# Altium PCB BC2087.PcbDoc (part 5 of 6)
Units mil, origin at the board's own origin, x right, y up, seen from the top; angles counter-clockwise.
Board outline 7401.57 x 1181.1 mil, 6 copper layers (Top Copper, Signal Layer 1, Signal Layer 2, Signal Layer 3, Signal Layer 4, Bottom Copper), stack 62.874 mil thick; 302 components, 237 nets, 1184 pads, 867 vias.
Unrouted connection lines stored in the file: 315.
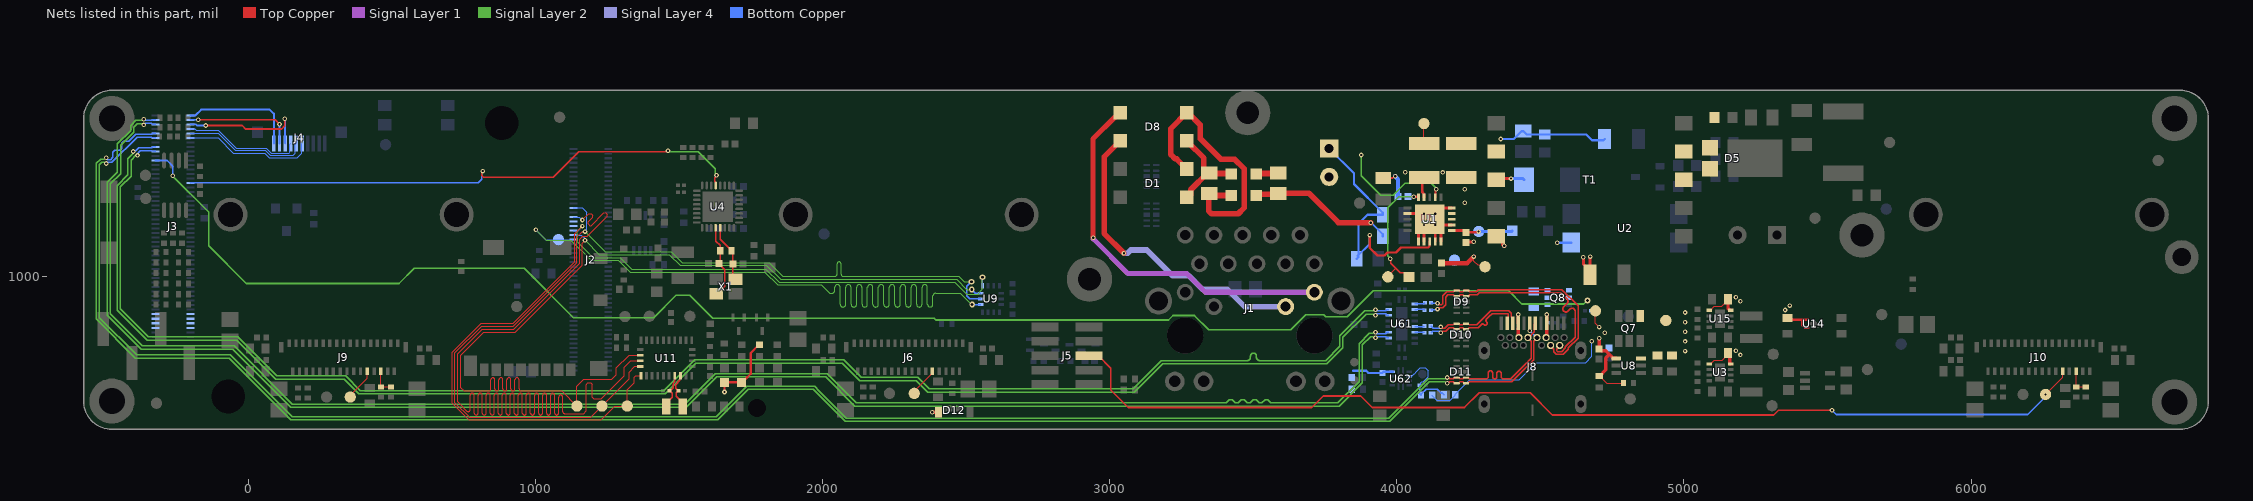
[diagram p9: the nets of this part, all layers, seen from the top]

## Via types
v1: diameter 20, hole 10, Top Copper to Bottom Copper, 273 vias
v2: diameter 16, hole 8, Top Copper to Bottom Copper, tented both sides, 243 vias
v3: diameter 15.98, hole 7.99, Top Copper to Bottom Copper, tented both sides, 201 vias
v4: diameter 18, hole 8, Top Copper to Bottom Copper, tented both sides, 70 vias
v5: diameter 16, hole 7.95, Top Copper to Bottom Copper, tented both sides, 36 vias
v6: diameter 20, hole 10, Top Copper to Bottom Copper, tented both sides, 26 vias
v7: diameter 16, hole 8, Top Copper to Bottom Copper, 17 vias
v8: diameter 19.68, hole 11.81, Top Copper to Bottom Copper, tented both sides, 1 vias

## Nets (pads, with @x,y where several pads share a name; then routed paths per layer and width w, separated by ;. In a path a pad name is that pad's centre, name@x,y a point inside that pad or via, vN(x,y) a via of type N, cw(c..) or ccw(c..) an arc to the next point about the centre after c; other vN are vias at no path point) (continued)
SDS_TXD_P: J3.69 U4.13 | length 2009.5
  Top Copper w5.12: v2(816,1368.72) 812.42,1365.14 812.42,1353.47 818.14,1347.75 1061.94,1347.75 1149.45,1435.26 1457.26,1435.26 v3(1461,1439) ; U4.13@1627.27,1318.86 1627.27,1329.45 1624.5,1332.21 1624.5,1345.97 1629.92,1351.39 v3(1629.92,1354.33)
  Signal Layer 2 w5.12: v3(1461,1439) 1463.32,1436.68 1566.64,1436.68 1625.93,1377.39 1625.93,1358.32 v3(1629.92,1354.33)
  Bottom Copper w5.12: J3.69@-202.76,1326.77 -201.77,1327.76 -189.57,1327.76 -189.07,1328.25 288.17,1328.25 799.25,1328.25 812,1341 812,1364.72 v2(816,1368.72)
SLASEL1: J10.6 R35.2 R36.2 | length 88.2
  Top Copper w4: J10.6@6366.29,671.88 R36.2@6366.29,617.13 R35.2@6399.75,617.13
SLASEL2: J9.6 R40.2 R42.2 | length 89.5
  Top Copper w4: J9.6@460.77,671.88 460.77,617.55 R42.2@461.19,617.13 R40.2@495.79,617.13
SP1: D8.2 J1.13 | length 1092.3
  Top Copper w19.68: D8.2@3035.79,1473.77 2980.31,1418.29 2980.31,1151.57 v3(3049.21,1082.68)
  Signal Layer 4 w19.68: v3(3049.21,1082.68) 3062.01,1082.68 3073.07,1093.74 3128.58,1093.74 3218.38,1003.94 3275.59,1003.94 3322.83,956.69 3409.45,956.69 3469.62,896.52 J1.13@3612.6,896.52
SP2: D8.3 J1.14 | length 1328.6
  Top Copper w17.72: v3(2941.93,1136.81) 2940.94,1137.8 2940.94,1480.32 3018.06,1557.43 3021.03,1557.43 D8.3@3035.79,1572.19
  Signal Layer 1 w17.72: v3(2941.93,1136.81) 2941.93,1132.87 3063.52,1011.28 3268.25,1011.28 3333.01,946.52 J1.14@3712.6,946.52
SPI_BMI270_CS_1V8: J2.60 TP30.1 U9.12 | length 3044.7
  Signal Layer 2 w4: v2(1001,1164) 1036.49,1128.51 1122.79,1128.51 1193.3,1058 1288.3,1058 1329.3,1017 1797.81,1017 1842.81,972 1995.57,972 2024.45,943.12 2030.43,943.12 2032.43,943.12 ccw(c2032.43,952.62) 2041.93,952.62 2041.93,963.15 cw(c2051.43,963.15) 2060.93,963.15 2060.93,904.44 ccw(c2070.43,904.44) 2079.93,904.44 2079.93,963.15 cw(c2089.43,963.15) 2098.93,963.15 2098.93,904.44 ccw(c2108.43,904.44) 2117.93,904.44 2117.93,963.15 cw(c2127.43,963.15) 2136.93,963.15 2136.93,904.44 ccw(c2146.43,904.44) 2155.93,904.44 2155.93,963.15 cw(c2165.43,963.15) 2174.93,963.15 2174.93,904.44 ccw(c2184.43,904.44) 2193.93,904.44 2193.93,963.15 cw(c2203.43,963.15) 2212.93,963.15 2212.93,904.44 ccw(c2222.43,904.44) 2231.93,904.44 2231.93,963.15 cw(c2241.43,963.15) 2250.93,963.15 2250.93,904.44 ccw(c2260.43,904.44) 2269.93,904.44 2269.93,963.15 cw(c2279.43,963.15) 2288.93,963.15 2288.93,904.44 ccw(c2298.43,904.44) 2307.93,904.44 2307.93,963.15 cw(c2317.43,963.15) 2326.93,963.15 2326.93,904.44 ccw(c2336.43,904.44) 2345.93,904.44 2345.93,963.15 cw(c2355.43,963.15) 2364.93,963.15 2364.93,904.75 ccw(c2374.43,904.75) 2383.93,904.75 2383.93,933.62 cw(c2393.43,933.62) 2393.43,943.12 2411.45,943.12 2479.88,943.12 2519.46,903.54 v6(2520.46,903.54)
  Bottom Copper w4: v2(1001,1164) 1035.08,1129.92 TP30.1@1079.49,1129.92 J2.60@1131.69,1129.92
  Bottom Copper w5: v6(2520.46,903.54) U9.12@2549.86,903.54
SPI_BNO08x_CS_1V8: J2.70 U11.18 | length 3669.8
  Top Copper w4: v2(1162.95,1198.42) 1184.46,1219.93 1192.81,1219.93 1198.57,1214.17 1198.57,1207.57 1183,1192 1183,1185.1 1189.1,1179 1194.29,1179 1238.09,1222.8 1245.03,1222.8 1249,1218.83 1249,1212.19 1179.32,1142.51 1164.81,1142.51 1152.76,1130.46 1152.76,1046.76 924.16,818.16 814.16,818.16 728.34,732.34 728.34,564.43 728.42,564.36 760.05,532.72 ccw(c765,537.67) 772,537.67 772,588 cw(c779,588) 786,588 786,525.93 ccw(c793,525.93) 800,525.93 800,588 cw(c807,588) 814,588 814,525.93 ccw(c821,525.93) 828,525.93 828,588 cw(c835,588) 842,588 842,525.93 ccw(c849,525.93) 856,525.93 856,588 cw(c863,588) 870,588 870,525.93 ccw(c877,525.93) 884,525.93 884,588 cw(c891,588) 898,588 898,525.93 ccw(c905,525.93) 912,525.93 912,588 cw(c919,588) 926,588 926,525.93 ccw(c933,525.93) 940,525.93 940,588 cw(c947,588) 954,588 954,525.93 ccw(c961,525.93) 968,525.93 968,588 cw(c975,588) 982,588 982,525.93 ccw(c989,525.93) 996,525.93 996,588 cw(c1003,588) 1010,588 1010,525.93 ccw(c1017,525.93) 1024,525.93 1024,588 cw(c1031,588) 1038,588 1038,525.93 ccw(c1045,525.93) 1052,525.93 1052,588 cw(c1059,588) 1066,588 1066,525.93 ccw(c1073,525.93) 1080,525.93 1080,581.69 cw(c1087,581.69) 1094,581.69 1094,531 ccw(c1101,531) 1101,524 1117,524 1167,524 1176,533 1176,625 1182,631 1192.65,631 1197.86,625.79 1197.86,580.14 1202,576 1217.12,576 1228,576 1307.86,655.86 1307.86,684.83 1330.71,707.68 U11.18@1363.96,707.68
  Bottom Copper w4: J2.70@1131.69,1208.66 1152.71,1208.66 v2(1162.95,1198.42)
SPI_MISO_1V8: J2.64 TP28.1 U9.1 U11.20 | length 3323.9
  Top Copper w4: v5(1162.95,1177.17) 1136,1150.21 1136,1052.63 921.37,838 810.35,838 710,737.65 710,560.15 767.22,502.93 1228.93,502.93 1276,550 TP28.1@1319,550 1319,607 1343,631 1343,651 1348,656 U11.20@1366.42,656
  Signal Layer 2 w4: v5(1162.95,1177.17) 1145.66,1159.87 1145.66,1121.99 1200.65,1067 1294.22,1067 1334.22,1027 1801.42,1027 1847.77,980.65 2460.58,980.65 2501.26,939.97 2539.97,939.97 2556.26,956.26 v6(2556.26,998.74)
  Bottom Copper w4: J2.64@1131.69,1161.42 1148.14,1161.42 1162.95,1176.23 v5(1162.95,1177.17)
  Bottom Copper w5: U9.1@2556.26,969 v6(2556.26,998.74)
SPI_MOSI_1V8: J2.62 TP29.1 U9.14 U11.17 | length 3358.1
  Top Copper w4: v5(1172,1127.43) 1162,1117.43 1162,1040.5 929.5,808 819.35,808 739,727.65 739,614.42 750.42,603 809,603 837,603 ccw(c837,610) 844,610 844,641.53 cw(c851,641.53) 858,641.53 858,610 ccw(c865,610) 872,610 872,641.53 cw(c879,641.53) 886,641.53 886,610 ccw(c893,610) 900,610 900,641.53 cw(c907,641.53) 914,641.53 914,610 ccw(c921,610) 928,610 928,641.53 cw(c935,641.53) 942,641.53 942,610 ccw(c949,610) 949,603 965,603 1091,603 TP29.1@1144,550 1144,620 1166.72,642.72 1264.64,642.72 1280.82,658.9 1280.82,682.82 1325.36,727.36 U11.17@1363.96,727.36
  Signal Layer 2 w4: v5(1172,1127.43) 1221.43,1078 1466.08,1078 1504.08,1040 1804,1040 1853,991 2467,991 2502,956 v6(2519,956)
  Bottom Copper w4: J2.62@1131.69,1145.67 1158.45,1145.67 1172,1132.12 v5(1172,1127.43)
  Bottom Copper w5: v6(2519,956) 2532.09,942.91 U9.14@2549.86,942.91
SPI_SCK_1V8: J2.74 TP27.1 U9.13 U11.19 | length 3343.5
  Top Copper w4: v5(1172,1157.91) 1162.39,1157.91 1144,1139.53 1144,1049.31 922.69,828 811.66,828 719,735.34 719,562.46 770.53,510.93 1191.93,510.93 TP27.1@1231,550 1326,645 1326,668 1345.99,687.99 U11.19@1363.96,687.99
  Signal Layer 2 w4: v5(1172,1157.91) 1241.91,1088 1471.65,1088 1510.86,1048.79 1814.21,1048.79 1860.7,1002.3 2041,1002.3 2043,1002.3 ccw(c2043,1009.3) 2050,1009.3 2050,1045.3 cw(c2057,1045.3) 2064,1045.3 2064,1009.3 ccw(c2071,1009.3) 2071,1002.3 2085,1002.3 2473.11,1002.3 2492.41,983 v6(2518,983)
  Bottom Copper w4: J2.74@1131.69,1240.16 1162.47,1240.16 1178,1224.63 1178,1166.25 1172,1160.25 v5(1172,1157.91)
  Bottom Copper w5: v6(2518,983) 2517.48,983 2502,967.52 2502,934 2512.77,923.23 U9.13@2549.86,923.23
SPI_SIO2: J2.66
SPI_SIO3: J2.68
STRB2: J9.10 TP31.1 | length 114.9
  Top Copper w4: TP31.1@354.18,581.57 354.18,588.23 413.53,647.58 J9.10@413.53,671.88
STRBL: J5.6 J10.10 TP15.1 | length 3690.1
  Top Copper w4: v2(6259.84,590.55) 6319.04,649.75 J10.10@6319.04,671.88
  Top Copper w6: J5.6@2928.15,725.39 2960.43,725.39 3003.5,682.33 3003.5,606.24 3064.74,545 3703.23,545 3743.23,585 3874,585 3914,545 4235.28,545 4286.74,596.46 4464.32,596.46 4541.9,518.88 5312.52,518.88 5329.27,535.62 v2(5515.75,535.62)
  Bottom Copper w6: v2(5515.75,535.62) 5530.62,520.75 6198.06,520.75 6257.93,580.62 6257.93,588.64 v2(6259.84,590.55)
STROBE3: J6.10 TP33.1 | length 103.5
  Top Copper w4: TP33.1@2318.9,594.49 2318.9,601.85 2382.03,664.99 J6.10@2382.03,671.88
SWO: D4.2 T1.3 U1.18 | length 95.2
  Top Copper w10: T1.3@4351.66,1337.72 4356.46,1342.52 v3(4397.64,1342.52)
  Bottom Copper w10: v3(4397.64,1342.52) 4439.26,1342.52 D4.2@4443.19,1338.58
SYS_RST: J3.89 J4.6 | length 457.2
  Bottom Copper w4.02: J3.89@-202.76,1484.25 -106.42,1484.25 -53.5,1431.33 56.79,1431.33 72.82,1415.3 169.06,1415.3 185.08,1431.32 185.08,1463.7 J4.6@186.38,1465
TCK: J3.97 J4.2 | length 383.7
  Top Copper w6: v3(-175.74,1547.24) 92.32,1547.24 v3(107.64,1531.93)
  Bottom Copper w6: J3.97@-202.76,1547.24 v3(-175.74,1547.24) ; J4.2@107.64,1465 v3(107.64,1531.93)
TDI: J3.95 J4.3 | length 452
  Top Copper w6: v3(-149.61,1527.56) -21.88,1527.56 -9.25,1514.93 114.68,1514.93 125.98,1526.24 v3(125.98,1551.18)
  Bottom Copper w6: J3.95@-202.76,1531.5 -184.03,1531.5 -180.09,1527.56 -152.84,1527.56 v3(-149.61,1527.56) ; v3(125.98,1551.18) 126.65,1550.51 126.65,1465.67 J4.3@127.32,1465
TDO: J3.91 J4.5 | length 436.1
  Bottom Copper w4.02: J3.91@-202.76,1500 -105.82,1500 -46.63,1440.8 58.66,1440.8 76.14,1423.32 155.01,1423.32 163.01,1431.32 163.01,1461.32 J4.5@166.69,1465
TMS: J3.99 J4.1 | length 408.1
  Bottom Copper w7.09: J3.99@-202.76,1562.99 -184.8,1562.99 -165.11,1582.68 -68.7,1582.68 73.62,1582.68 87.95,1568.34 J4.1@87.95,1465
TRST: J3.93 J4.4 | length 415.4
  Bottom Copper w4.02: J3.93@-202.76,1515.75 -186.7,1515.75 -181.51,1510.56 -105.05,1510.56 -43.31,1448.82 61.98,1448.82 79.46,1431.33 141.82,1431.33 144.17,1433.69 144.17,1462.16 J4.4@147.01,1465
TXB1_N: C209.2 U61.16 | length 34.4
  Bottom Copper w5.12: U61.16@4062.64,827.06 4071.68,827.06 4071.89,826.85 4094.13,826.85 C209.2@4096.1,828.82
TXB1_P: C208.2 U61.17 | length 34.4
  Bottom Copper w5.12: U61.17@4062.64,807.38 4062.85,807.17 4094.13,807.17 C208.2@4096.1,805.2
TXB_N: C209.1 D10.1 D10.10 J8.A3 | length 363
  Top Copper w5.12: v3(4153.14,825.78) 4157.66,821.26 4166.9,821.26 4178.2,832.57 4196.41,832.57 4199.41,835.56 4199.41,835.91 4200.79,837.29 D10.1@4207.97,837.29 4215.16,837.29 4216.54,835.91 4216.54,835.56 4219.53,832.57 4229.29,832.57 4232.28,835.56 4232.28,835.91 4233.66,837.29 D10.10@4240.85,837.29 4248.03,837.29 4249.41,835.91 4249.41,835.56 4252.41,832.57 4277.74,832.57 4327.79,882.62 4389.82,882.62 4398.82,873.62 4398.82,860.53 4403.54,855.8 J8.A3@4403.54,838.08
  Bottom Copper w5.12: C209.1@4118.15,828.82 4118.94,828.82 4126.76,821 4148.36,821 v3(4153.14,825.78)
TXB_P: C208.1 D10.2 D10.9 J8.A2 | length 360.2
  Top Copper w5.12: v3(4153.14,805.79) 4158.37,811.02 4171.14,811.02 4182.44,822.33 4196.41,822.33 4199.41,819.33 4199.41,818.98 4200.79,817.6 D10.2@4207.97,817.6 4215.16,817.6 4216.54,818.98 4216.54,819.33 4219.53,822.33 4229.29,822.33 4232.28,819.33 4232.28,818.98 4233.66,817.6 D10.9@4240.85,817.6 4248.03,817.6 4249.41,818.98 4249.41,819.33 4252.41,822.33 4281.97,822.33 4282.83,823.19 4293.83,834.19 cw(c4298.42,829.59) 4303.02,834.19 4303.28,833.92 ccw(c4307.88,838.51) 4312.47,833.92 ccw(c4307.88,838.51) 4312.47,843.11 4312.2,843.37 cw(c4316.8,847.97) 4312.2,852.56 4322.3,862.66 4332.03,872.38 4385.58,872.38 4388.58,869.38 4388.58,860.53 4383.86,855.8 J8.A2@4383.86,838.08
  Bottom Copper w5.12: C208.1@4119,805.26 4124.5,810.76 4148.17,810.76 v3(4153.14,805.79)
TXC1_N: C212.2 U61.12 | length 36.2
  Bottom Copper w5.12: U61.12@4062.64,905.8 4063.47,906.63 4094.47,906.63 C212.2@4097.28,909.45
TXC1_P: C211.2 U61.13 | length 35.8
  Bottom Copper w5.12: U61.13@4062.64,886.12 4071.06,886.12 4071.89,886.95 4094.07,886.95 C211.2@4096.89,884.13
TXC_N: C212.1 D9.1 D9.10 J8.B3 | length 838
  Top Copper w5.12: v3(4141.47,908) 4146.23,903.24 4155.43,903.24 4159.28,907.08 4159.28,933.95 4173.36,948.03 4197.46,948.03 4200.46,951.03 4200.46,951.38 4201.84,952.76 D9.1@4209.02,952.76 4216.21,952.76 4217.59,951.38 4217.59,951.03 4220.58,948.03 4230.33,948.03 4233.33,951.03 4233.33,951.38 4234.71,952.76 D9.10@4241.9,952.76 4249.08,952.76 4250.46,951.38 4250.46,951.03 4253.46,948.03 4276.07,948.03 4283.28,955.24 4574.99,955.24 4631.1,899.12 4631.1,786.06 4597.64,752.59 4597.64,748.59 4578.8,729.76 4555.06,729.76 4546.06,738.75 4546.06,748.08 4535.43,758.71 J8.B3@4535.43,761.31
  Bottom Copper w5.12: C212.1@4119.33,909.45 4120.31,908.46 4141,908.46 v3(4141.47,908)
TXC_P: C211.1 D9.2 D9.9 J8.B2 | length 833.2
  Top Copper w5.12: v3(4141.47,888.02) 4146.45,893 4159.67,893 4169.51,902.84 4169.51,929.71 4177.6,937.8 4197.46,937.8 4200.46,934.8 4200.46,934.45 4201.84,933.07 D9.2@4209.02,933.07 4216.21,933.07 4217.59,934.45 4217.59,934.8 4220.58,937.8 4230.33,937.8 4233.33,934.8 4233.33,934.45 4234.71,933.07 D9.9@4241.9,933.07 4249.08,933.07 4250.46,934.45 4250.46,934.8 4253.46,937.8 4280.31,937.8 4287.52,945 4570.75,945 4576.76,938.99 4578.57,937.18 4593.32,922.43 cw(c4585.94,915.05) 4593.32,907.67 4581.12,895.48 ccw(c4588.5,888.1) 4581.12,880.72 ccw(c4588.5,888.1) 4595.88,880.72 4603.06,887.9 cw(c4610.43,880.52) 4620.87,880.52 4620.87,850.61 4620.87,790.3 4587.4,756.83 4587.4,752.83 4574.56,739.99 4559.3,739.99 4556.3,742.99 4556.3,748.08 4566.93,758.71 J8.B2@4566.93,761.31
  Bottom Copper w5.12: C211.1@4118.94,884.13 4120.86,886.06 v3@4139.02,886.06
USB_D_N: D11.2 D11.9 J3.90 J8.A7 J8.B7 | length 6316.1
  Top Copper w5.12: v2(4176,649.76) 4178.94,649.76 4183.83,644.88 4196.41,644.88 4199.41,647.88 4199.41,648.23 4200.79,649.61 D11.9@4207.97,649.61 4215.16,649.61 4216.54,648.23 4216.54,647.88 4219.53,644.88 4229.29,644.88 4232.28,647.88 4232.28,648.23 4233.66,649.61 D11.2@4240.85,649.61 4248.03,649.61 4249.41,648.23 4249.41,647.88 4252.41,644.88 4262.48,644.88 4262.54,644.94 4308.33,644.94 4310.89,644.94 ccw(c4310.89,652.42) 4318.37,652.42 4318.37,665.52 cw(c4325.85,665.52) 4333.33,665.52 4333.33,652.42 ccw(c4340.81,652.42) 4348.29,652.42 4348.29,663.75 cw(c4355.77,663.75) 4363.25,663.75 4363.25,652.42 ccw(c4370.73,652.42) 4370.73,644.94 4396.18,644.94 4417.41,666.17 4467.32,716.08 4467.32,775.64 4456.69,786.27 J8.B7@4456.69,788.87 4459.62,788.87 4478.94,808.19 4478.94,834.74 J8.A7@4482.28,838.08
  Signal Layer 2 w5.17: v5(-496,1395) -500.47,1399.47 -511.03,1399.47 -519.68,1390.82 -519.68,858.27 -389.76,728.35 -63.35,728.35 151.94,513.06 1629.42,513.06 1735.42,619.06 1971.49,619.06 1988.19,602.36 2082.68,507.87 3971.23,507.87 4108.65,645.29 4168.6,645.29 4173.07,649.76 v2(4176,649.76)
  Bottom Copper w5.12: v5(-496,1395) -492.24,1398.76 -476.7,1398.76 -388.46,1487.01 -337.01,1487.01 -334.25,1484.25 J3.90@-324.02,1484.25 ; J8.B7@4456.69,786.27 J8.B7@4456.69,788.87
USB_D_P: D11.1 D11.10 J3.92 J8.A6 J8.B6 | length 6321.6
  Top Copper w5.12: v2(4176,629.76) 4178.94,629.76 4183.83,634.65 4196.41,634.65 4199.41,631.65 4199.41,631.3 4200.79,629.92 D11.10@4207.97,629.92 4215.16,629.92 4216.54,631.3 4216.54,631.65 4219.53,634.65 4229.29,634.65 4232.28,631.65 4232.28,631.3 4233.66,629.92 D11.1@4240.85,629.92 4248.03,629.92 4249.41,631.3 4249.41,631.65 4252.41,634.65 4266.72,634.65 4266.78,634.71 4400.42,634.71 4477.56,711.84 4477.56,775.64 4488.19,786.27 J8.B6@4488.19,788.87 ; J8.A6@4462.6,855.8 J8.A6@4462.6,838.08 4463.03,837.65 v3(4463.03,812.88)
  Signal Layer 2 w5.17: v5(-496,1415) -500.47,1410.53 -515.61,1410.53 -530.75,1395.4 -530.75,853.69 -394.35,717.28 -67.93,717.28 147.36,502 1634,502 1664.14,532.14 1740,608 1966.91,608 2078.1,496.81 3975.81,496.81 4113.23,634.23 4168.6,634.23 4173.07,629.76 v2(4176,629.76)
  Bottom Copper w5.12: v5(-496,1415) -490,1409 -480.94,1409 -474.96,1414.98 -473.15,1416.79 -473.15,1433.76 -466.08,1440.83 -449.11,1440.83 -441.33,1448.61 -441.33,1465.58 -434.26,1472.65 -417.29,1472.65 -405.47,1484.47 -392.7,1497.24 -337.01,1497.24 -334.25,1500 J3.92@-324.02,1500 ; v3(4463.03,812.88) 4463.61,812.88 4487.61,788.87 J8.B6@4488.19,788.87
USB_RX_N: J3.96 U61.4 | length 5660.3
  Signal Layer 2 w5.17: v2(-365,1529.37) -369.47,1533.84 -388.16,1533.84 -400.16,1521.84 -400.16,1503.6 -445.94,1457.83 -445.94,1360 -481,1324.94 -481,871 -369.58,759.58 -50.41,759.58 152.11,557.06 1520.06,557.06 1626.06,663.06 2014.94,663.06 2035,643 2117,561 3400,561 3405.99,561 3416.67,571.68 3426.67,571.68 3437.35,561 3447.35,561 3458.02,571.68 3468.02,571.68 3478.7,561 3488.7,561 3499.38,571.68 3509.38,571.68 3520.06,561 3530.06,561 3540.74,571.68 3550.74,571.68 3561.41,561 3564,561 3794.36,561 3868.94,635.58 3868.94,767.86 3904.14,803.06 3921.03,803.06 v5(3925.65,807.69)
  Bottom Copper w5.12: v2(-365,1529.37) -358.37,1536 -338.76,1536 -334.25,1531.5 J3.96@-324.02,1531.5 ; v5(3925.65,807.69) 3930.69,802.65 3960.47,802.65 3965.2,807.38 U61.4@3972.09,807.38
USB_RX_P: J3.98 U61.3 | length 5658.4
  Signal Layer 2 w5.17: v2(-365,1549.37) -369.47,1544.9 -392.74,1544.9 -411.22,1526.42 -411.22,1508.87 -457,1463.09 -457,1364.58 -492.06,1329.52 -492.06,866.42 -374.16,748.52 -54.99,748.52 147.53,546 1524.64,546 1630.64,652 2010.36,652 2112.42,549.94 3798.94,549.94 3880,631 3880,763.28 3908.72,792 3921.34,792 v5(3925.65,787.69)
  Bottom Copper w5.12: v2(-365,1549.37) -361.87,1546.24 -335.26,1546.24 -334.25,1547.24 J3.98@-324.02,1547.24 ; v5(3925.65,787.69) 3930.38,792.42 3960.47,792.42 3965.2,787.69 U61.3@3972.09,787.69
USB_TX_N: J3.84 U61.8 | length 5434.6
  Signal Layer 2 w5.17: v3(-386.99,1423.22) -392.84,1423.22 -409.45,1406.61 -409.45,1351.12 -446.94,1313.63 -446.94,888.94 -348.82,790.82 -37.47,790.82 98.36,654.98 337.66,654.98 388.58,604.06 1446.88,604.06 1553.82,711 2072.46,711 2133.46,650 2330.64,650 2370.64,610 3081,610 3179.66,708.66 3456.18,708.66 3479.61,708.66 ccw(c3479.61,719.12) 3490.07,719.12 3490.07,724.11 cw(c3500.53,724.11) 3500.53,734.57 cw(c3500.53,724.11) 3510.99,724.11 3510.99,719.12 ccw(c3521.45,719.12) 3521.45,708.66 3544.96,708.66 3752.02,708.66 3801,757.64 3801,794.3 3888.51,881.8 3921.47,881.8 v3(3925.65,885.98)
  Bottom Copper w5.12: v3(-386.99,1423.22) -384.91,1425.3 -384.91,1432.84 -377.99,1439.76 -337.01,1439.76 -334.25,1437.01 J3.84@-324.02,1437.01 ; v3(3925.65,885.98) 3930.25,881.39 3960.47,881.39 3965.2,886.12 U61.8@3972.09,886.12
USB_TX_P: J3.86 U61.7 | length 5437.1
  Signal Layer 2 w5.17: v3(-401.57,1437.01) -401.57,1430.13 -420.51,1411.19 -420.51,1355.7 -458,1318.22 -458,884.36 -353.4,779.75 -42.05,779.75 93.78,643.92 333.08,643.92 384,593 1451.46,593 1558.4,699.94 2067.88,699.94 2128.88,638.94 2326.06,638.94 2366.06,598.94 3085.58,598.94 3184.24,697.6 3756.6,697.6 3812.06,753.06 3812.06,789.71 3893.09,870.74 3920.91,870.74 v3(3925.65,866)
  Bottom Copper w5.12: v3(-401.57,1437.01) -399.5,1439.09 -393.14,1439.09 -382.23,1450 -337.01,1450 -334.25,1452.76 J3.86@-324.02,1452.76 ; v3(3925.65,866) 3930.81,871.16 3960.47,871.16 3965.2,866.43 U61.7@3972.09,866.43
VBUS: C30.2 C73.2 C207.2 J3.80 Q8.1 Q8.2 Q8.5 Q8.6 R69.2 R74.2 R183.2 R187.1 R190.1 TP20.1 U8.1 | length 6570.9
  Top Copper w4.02: TP20.1@4691.93,881.89 4691.93,838.15 v2(4704.72,825.35) ; R183.2@4704.72,654.37 4706.69,654.37 4730.67,630.39 R69.2@4789.37,630.39
  Top Copper w5.91: C207.2@4704.72,749.5 4711.02,743.2 C207.2@4712.88,741.35
  Top Copper w11.81: R183.2@4706.69,654.37 4728.32,675.99 4728.32,717.58 4740.6,729.87 ; C207.2@4711.02,743.2 4727.27,743.2 4740.6,729.87 ; U8.1@4763.78,716.54 4753.94,716.54 4740.6,729.87
  Top Copper w12: C207.2@4704.72,749.5 v2(4704.72,786.06)
  Signal Layer 2 w5.91: v3(-263.78,1352.36) -263.78,1350.78 -139,1226 -139,1108 -8,977 524,977 577,1030 960,1030 1132,858 1411,858 1489,936 1536.39,936 1616.39,856 2388,856 2394,850 3204.33,850 3220.01,865.68 3294.76,865.68 3344.49,815.94 3629.92,815.94 3682.54,868.57 3745.61,868.57 3752.56,861.61 3827.55,861.61 3917.71,951.77 4389.29,951.77 4435.53,905.53 4651.53,905.53 v6(4664,918)
  Bottom Copper w4.02: R187.1@4123.19,588.58 4123.19,586.61 4139.8,570 4186.14,570 4203.74,587.6 R190.1@4203.74,589.57 4203.74,591.54 4212.56,600.35 4253.24,641.03 4426.47,641.03 4487.2,701.77 4657.48,701.77 4679.13,723.43 v2(4679.13,776.08)
  Bottom Copper w5.91: J3.80@-324.02,1405.51 -283.46,1405.51 -263.78,1385.83 v3(-263.78,1352.36)
  other v2: 4724.41,805.63
VBUS_DET: C13.2 R187.2 R190.2 U62.4 | length 281.2
  Bottom Copper w4.02: U62.4@4045.27,653.83 4051.18,653.83 4059.87,662.52 4061.58,662.52 4068.34,669.28 4068.34,669.84 4081.66,683.16 4099.55,683.16 4109.89,672.83 4109.89,652.64 4091.55,634.31 4086.29,634.31 4083.94,631.95 4083.94,626.79 4079.65,622.49 C13.2@4079.53,622.49
  Bottom Copper w6: C13.2@4079.53,622.49 4079.53,592.87 R187.2@4083.82,588.58 4083.82,590.55 4102.07,608.8 4140.52,608.8 4153.72,595.6 4158.34,595.6 R190.2@4164.37,589.57
VBUSIN: C29.2 J8.A4 J8.A9 J8.B4 J8.B9 Q8.4 R74.1 | length 144.7
  Top Copper w12: J8.A4@4423.13,820.46 4422.89,820.21 4422.89,791.18 J8.B9@4425.2,788.87 ; J8.A4@4423.23,838.08 4423.28,838.13 4423.28,869.01 v3(4423.32,869.05) ; J8.B4@4519.68,788.87 4521.56,790.75 4521.56,837.99 J8.A9@4521.65,838.08 v3(4521.65,869.05)
VDD: C22.2 R12.2 TP11.1 U1.5 | length 465.3
  Top Copper w4: TP11.1@3968.5,1000.27 3968.5,1002.46 3996.19,1030.15
  Top Copper w5.91: v3(3976.51,1062.99) 3978.43,1061.06 3978.43,1047.9 3980.31,1046.02 3990.88,1035.46 3992.5,1033.84 3996.19,1030.15 4011.58,1014.76 4027.32,1014.76 R12.2@4042.09,1000
  Top Copper w8: v3(4059.18,1279.53) 4074.01,1279.53 4074.93,1278.61 U1.5@4074.93,1277.56
  Signal Layer 2 w5.91: v3(3976.51,1062.99) 3976.51,1065.72 3968.63,1073.59 3968.63,1240.85 4007.31,1279.53 v3(4059.18,1279.53)
  Bottom Copper w5.91: C22.2@4039.5,1279.53 v3(4059.18,1279.53)
VDD_5V: C14.2 C61.1 C62.1 C65.2 C67.2 C76.2 D3.2 D7.2 D12.1 J3.5 J3.6 J3.7 J3.8 J3.9 J3.10 J3.11 J3.12 Q7.4 R55.2 R213.2 R214.2 TP4.1 U3.1 U3.8 U8.6 U14.3 U14.4 U15.1 U15.8 U62.12 | length 784.8
  Top Copper w4: U3.1@5088.58,697.15 5092.91,697.15 5105.51,709.75 5132.68,709.75 5153.54,730.62 C14.2@5153.54,734.55 ; U15.1@5088.58,883.86 5092.91,883.86 5106,896.95 5132.18,896.95 C67.2@5153.54,918.31
  Top Copper w7.87: v3(1658,599) 1658,632.35 D3.2@1657.48,632.87 D7.2@1717.63,632.87 1729.44,644.69 1730.81,644.69 1749.02,662.89 1749.02,735.24 1777.56,763.78 R55.2@1779.53,763.78
  Top Copper w9.84: C65.2@5360.38,857.28 5366.28,851.38 5378.69,851.38 5379.44,850.62 5411.42,850.62 ; 5432.6,850.62 5411.42,850.62 ; 5433.22,823.22 5421.86,823.22 5413.39,831.69 5413.39,848.66 5411.42,850.62
  Top Copper w11.81: v2(2381.68,528.68) D12.1@2402.88,528.68 ; C14.2@5153.54,734.55 5159.45,728.65 5159.45,697.55 5159.84,697.15 U3.8@5163.39,697.15 ; C67.2@5153.54,922.24 5153.54,918.31 5153.54,890.16 5159.84,883.86 U15.8@5163.39,883.86
  Bottom Copper w7.87: 3848.43,673.51 3893.17,673.51 3901.04,665.64 C76.2@3949.51,665.64 3953.44,669.58 U62.12@3986.22,669.58
  other v2: 5196.85,728.35 5003.94,741.71 5181.1,743.26 5003.94,775.31 5003.94,808.91 5003.94,842.52 5003.94,876.12 5352.36,884.84 5368.11,900.23 5196.85,915.49 5181.1,929.13
VNEG: C8.1 FB3.2 R10.1 TP13.1 U1.7 U1.11 U1.12 U1.14 U1.15 U1.17 U1.20 U1.21 | length 1045.9
  Top Copper w9.84: U1.7@4037.53,1220.47 v7(4094.62,1220.47) U1.21@4114.3,1200.79 ; U1.11@4074.93,1124.02 4074.93,1161.42 v7(4094.62,1181.1) ; U1.12@4094.62,1124.02 v7(4094.62,1181.1) ; U1.14@4133.99,1124.02 v7(4133.99,1181.1) ; U1.15@4153.67,1124.02 4153.67,1161.42 v7(4133.99,1181.1) ; U1.17@4191.07,1181.1 v7(4133.99,1181.1) ; U1.20@4191.07,1240.16 4153.67,1240.16 v7(4133.99,1220.47) U1.21@4114.3,1200.79 ; v7(4094.62,1181.1) U1.21@4114.3,1200.79 ; U1.21@4114.3,1200.79 v7(4133.99,1181.1)
  Top Copper w19.68: FB3.2@3509.73,1283.46 3513.67,1287.4 3582.68,1287.4 C8.1@3586.61,1291.34 3693.9,1291.34 3796.26,1188.98 v3(3909.45,1188.98)
  Bottom Copper w7.87: v3(3909.45,1188.98) 3910.56,1188.98 3950.92,1148.62 R10.1@3950.92,1141.73
VNEG_IN: C33.1 D1.4 D8.4 FB3.1 | length 968.6
  Top Copper w19.68: D1.4@3268.08,1375.98 3232.97,1411.09 3228.09,1411.09 3212.6,1426.58 3212.6,1516.72 D8.4@3268.08,1572.19 3272.37,1572.19 3315,1529.56 3315,1481.79 3386.79,1410 3435,1410 3467.8,1377.2 3467.8,1240.41 3447.39,1220 3354.23,1220 3344.23,1230 3344.23,1289.11 C33.1@3346.46,1291.34 3354.33,1283.46 FB3.1@3423.12,1283.46
VPOS: C1.2 C2.1 C3.2 C4.2 C8.2 C26.1 FB2.2 R4.2 R8.1 R11.1 T1.4 TP5.1 U1.2 U1.13 | length 1886.9
  Top Copper w4: TP5.1@4094.49,1534.15 4094.49,1464.7 C1.2@4094.62,1464.57
  Top Copper w7.87: v3(3905.51,1145.67) 3905.51,1100.92 3932.18,1074.25 3956.75,1074.25 3967.42,1084.92 3996.89,1084.92 4014.33,1102.36 4066.66,1102.36 4066.72,1102.3 4108.64,1102.3 4113.32,1106.97 4113.32,1123.03 U1.13@4114.3,1124.02 ; U1.2@4133.99,1277.56 4133.99,1286.42 4134.97,1287.4 4134.97,1300.81 4137.52,1303.36 v3(4137.52,1305.55)
  Top Copper w19.68: FB2.2@3509.73,1358.27 3511.7,1360.24 3584.65,1360.24 C8.2@3586.61,1362.2
  Signal Layer 2 w5.91: v3(3875.83,1424.58) 3875.83,1352.55 3943.51,1284.87 ; 3962.18,1284.87 3943.51,1284.87 ; v3(4137.52,1305.55) 4137.52,1308.28 4132.23,1313.57 4132.23,1313.72 4119.96,1325.99 4028.17,1325.99 3987.06,1284.87 3943.51,1284.87
  Bottom Copper w7.87: C2.1@3764.34,1446.85 3850.39,1360.79 3850.39,1323.95 3950.92,1223.43 R11.1@3950.92,1216.54 3897.64,1216.54 3866.14,1185.04 3866.14,1073.57 3866.14,1068.77 R8.1@3860.36,1062.99 ; R8.1@3864.05,1073.57 3905.51,1115.03 v3(3905.51,1145.67) ; v3(4362.2,1480.32) 4407.05,1480.32 4434.61,1507.87 C4.2@4440.52,1507.87 4452.33,1496.06 4659.77,1496.06 4679.46,1476.38 4720.04,1476.38 C26.1@4723.98,1480.31
VPOS_IN: C33.2 D1.1 D8.1 FB2.1 | length 362.4
  Top Copper w19.68: D1.1@3268.08,1277.56 3270.52,1275.12 3281.86,1286.46 3281.86,1303.51 3340.55,1362.2 3327.76,1375 3327.76,1414.09 3272.97,1468.88 D8.1@3268.08,1473.77 3277.86,1473.77 D8.1@3279.33,1475.24 ; C33.2@3337.21,1371.45 C33.2@3346.46,1362.2 ; C33.2@3348.43,1362.2 3350.39,1360.24 3421.15,1360.24 FB2.1@3423.12,1358.27
VSEC: C5.2 D5.2 T1.7 T1.8
VSS: C1.1 C2.2 C3.1 C11.1 C22.1 C24.1 C25.1 R13.2 T1.1 TP12.1 U1.4 U1.19 U2.3 | length 638.1
  Top Copper w4: v3(4267.71,1070.86) 4267.71,1055.26 4281.4,1041.56 4300.96,1041.56 TP12.1@4307.09,1035.43
  Top Copper w5.91: R13.2@3952.76,1344.49 3985.97,1344.49 3991.88,1350.39 v3(3994.09,1350.39)
  Top Copper w9.84: U1.4@4094.62,1277.56 4094.62,1289.3 4088.36,1295.55 4088.36,1340.2 C1.1@4094.62,1346.46 ; C11.1@4239.3,1121.06 C11.1@4240.29,1120.08 4241.27,1121.06 4266.86,1121.06 v3(4267.85,1122.05) ; v3(4649.61,1068.2) 4649.61,1044.29 4658.46,1035.43 C25.1@4673.23,1035.43 ; C25.1@4673.23,1007.87 C25.1@4673.23,1035.43 ; v2(4673.22,1070.86) 4673.22,1057.42 C25.1@4673.23,1035.43
  Top Copper w15: C24.1@4156.26,1047.91 4244.75,1047.91 v3(4267.71,1070.86) ; T1.1@4347.01,1141.73 4347.57,1142.29 4347.57,1153.54 4370.02,1131.09 4370.02,1112.66 4374.14,1108.54 v3(4374.14,1108.27)
  Bottom Copper w9.84: v3(4558.63,1119.29) U2.3@4607.45,1119.29
  Bottom Copper w15: v3(3994.09,1350.39) 3994.09,1350.13 4004.07,1340.16 C22.1@4004.07,1279.53
  other v3: 4236.22,1257.87 4236.34,1305.05 4159.53,1363.91 4029.45,1365.06
VT15V: C11.2 D2.1 TP8.1 U1.16 | length 215.5
  Top Copper w10: U1.16@4191.07,1161.42 4191.15,1161.34 4234.46,1161.34 C11.2@4240.29,1155.51 4279.63,1155.51 4281.99,1157.87 v3(4284.7,1157.87)
  Bottom Copper w10: v3(4284.7,1157.87) TP8.1@4285.29,1158.46 4400.16,1158.46 D2.1@4402.13,1160.43
XI: C48.2 R47.1 U4.28 X1.1 | length 262.2
  Top Copper w5: U4.28@1627.27,1171.22 1627.27,1125 1642.72,1109.55 R47.1@1642.72,1090.98 1642.72,1050.5 C48.2@1638.19,1045.98 1659.35,1024.81 1659.35,967.04 1633.17,940.86 X1.1@1629.23,940.86
XIN: C28.2 U11.27 Y1.1 | length 131.3
  Top Copper w5: C28.2@1497.7,603.1 C28.2@1496.91,603.1 ; U11.27@1504.21,656 1502.2,653.99 1502.2,639.2 1488,625 1488,612.02 C28.2@1496.91,603.1 ; Y1.1@1512.03,548.35 1512.03,561.15 1489.45,583.73 1489.45,595.64 C28.2@1496.91,603.1
XO: C49.2 R47.2 U4.29 X1.3 | length 201.2
  Top Copper w5: U4.29@1643.01,1171.22 1643.01,1132.02 1687.21,1087.83 C49.2@1687.21,1045.76 1687.21,1000.99 X1.3@1696.16,992.04
XOUT: C27.2 U11.26 Y1.2 | length 130.2
  Top Copper w5: Y1.2@1454.55,548.35 1454.55,561.15 1475,581.6 1475,594.46 1466.36,603.1 C27.2@1465.57,603.1 1469.37,606.9 1472.5,606.9 1479,613.4 1479,629 1484.53,634.53 U11.26@1484.53,656
pads on no net: FID1.1 FID2.1 FID3.1 FID4.1 FID5.1 FID6.1 J1. J2.4 J2.6 J2.10 J2.12 J2.16 J2.18 J2.22 J2.24 J2.42 J2.45 J2.46 J2.48 J2.49 J2.51 J2.52 J2.54 J2.55 J2.57 J2.69 J3.17 J3.19 J3.21 J3.23 J3.25 J3.27 J3.31 J3.33 J3.35 J3.37 J3.41 J3.43 J3.45 J3.47 J3.48 J3.50 J3.51 J3.53 J3.56 J3.58 J3.76 J4.11 J4.12 J5.3 J6.0 J8.A8 J8.B8 J8.G2 J9.0 J9.13 J9.14 J9.16 J9.17 J10.0 J10.13 J10.14 J10.16 J10.17 T1.5 T1.6 U3.6 U8.4 U9.2 U9.3 U9.10 U9.11 U10.4 U11.1 U11.7 U11.8 U11.12 U11.13 U11.21 U11.22 U11.23 U11.24 U15.6 U62.9

## Polygon pours and split planes (outlines as drawn)
GND on Top Copper "GND_L01_P071" (solid, remove dead copper, pour order 71): -574.82,567.2 ccw(c-476.39,567.2) -476.39,468.77 6728.33,468.77 ccw(c6728.33,567.2) 6826.76,567.2 6826.76,1551.45 ccw(c6728.33,1551.45) 6728.33,1649.88 -476.39,1649.88 ccw(c-476.39,1551.45) -574.82,1551.45
2V8_L on Top Copper "2V8_L_L01_P002" (solid, pour order 2): 5957.64,723.07 5955.35,720.78 5955.35,605.85 5976.55,584.65 6043.19,584.65 6053,594.46 6053,646.08 6037.53,661.55 6037.53,710.54 6025,723.07
1V2_L on Top Copper "1V2_L_L01_P003" (solid, pour order 3): 5831.13,902 5822.83,893.7 5822.83,797.17 5825,795 5861.59,795 5884.02,817.43 5940.03,817.43 5951.08,806.38 5951.08,737.13 5954.94,733.27 5998.16,733.27 6007.26,742.37 6007.26,784.55 6016.76,794.04 6094.34,794.04 6094.34,838.48 6075.36,857.47 6037.53,857.47 5993,902
2V8_CAM_M on Top Copper "2V8_CAM_M_L01_P004" (solid, pour order 4): 2026.12,723.98 2022.92,720.78 2022.92,593.54 2035,581.46 2109.43,581.46 2116.29,588.32 2116.29,646.98 2098.28,664.99 2098.28,716.1 2090.4,723.98
1V2_CAM_M on Top Copper "1V2_CAM_M_L01_P005" (solid, pour order 5): 2095.71,927.56 1890.9,927.56 1884.51,921.17 1884.51,828.71 1893.07,820.15 2043.08,820.15 2053.4,809.82 2053.4,778.68 2058.05,774.03 2093.55,774.03 2108.33,788.81 2108.33,914.95
2V8_R on Top Copper "2V8_R_L01_P007" (solid, pour order 7): 54.9,722.5 47.4,715 47.4,597.07 62.77,581.69 140.91,581.69 145.83,586.61 145.83,643.13 129.77,659.18 129.77,714.63 121.9,722.5
1V2_R on Top Copper "1V2_R_L01_P010" (solid, pour order 10): 172.94,910 182.92,900.02 182.92,821.18 162.13,800.39 98.39,800.39 93,795 93,742.63 82.87,732.5 45.69,732.5 45.69,816.22 39.68,822.23 -94,822.23 -102.77,831 -102.77,887.26 -80.03,910
VDD_5V on Top Copper "VDD_5V_L01_P048_DC" (solid, remove dead copper, pour order 73): 5342.66,843.5 5342.66,906.13 5349.55,913.02 5373.54,913.02 5378.09,908.46 5378.09,843.5
3V3 on Top Copper "3V3_TL_DC" (solid, remove dead copper, pour order 74): 5273.62,582.98 5273.62,614.47 5244.49,643.61 5153.54,643.61 5153.54,633.48 5139.76,619.7 5139.76,582.98 5108.27,551.48 5108.27,535.43 5177.17,535.43 5188.98,547.24 5188.98,582.98
VSS on Top Copper "VSS_L01_P075" (solid, remove dead copper, pour order 75): 3742.54,1581.38 4758.89,1581.38 4765.97,1574.3 4765.97,1003.02 4727.51,964.57 3941.87,964.57 3819.31,1087.13 3819.31,1215.38 3685.59,1349.1 3687.23,1350.73 3687.23,1525.09
1V2 on Top Copper "1V2_L01_P062_DC" (solid, remove dead copper, pour order 25): 1893.7,806.52 1893.7,523.62 1964.57,523.62 1964.57,806.52
1V2 on Top Copper "1V2_L01_P061_DC" (solid, remove dead copper, pour order 24): -77.76,815.89 -77.76,759.84 9.02,759.84 9.02,815.89
VDD_5V on Top Copper "VDD_5V_L01_P044_DC" (solid, remove dead copper, pour order 20): 5011.81,897.64 5023.62,885.83 5023.62,705.71 4825.79,705.71 4825.79,897.64
5V_PoE on Top Copper "5V_POE_L01_P041_DC" (solid, remove dead copper, pour order 19): 5625.2,1386.5 5621.94,1389.76 5468.5,1389.76 5255.91,1177.17 5255.91,1124.29 5198.54,1066.93 4900.74,1066.93 4755.91,922.09 4744.4,910.59 4744.4,756.69 4826.77,756.69 4826.77,893.39 4831.02,897.64 4967.67,897.64 5018.85,948.82 5275.59,948.82 5543.31,1216.54 5598.43,1216.54 5625.2,1243.31 5625.2,1388.58
2V8 on Top Copper "2V8_L01_P023_DC" (solid, remove dead copper, pour order 61): 5481.14,863.19 5515.59,897.64 5620.08,897.64 5627.95,889.76 5627.95,847.44 5624.02,843.5 5481.14,843.5
VBUS on Top Copper "VBUS_L01_P043_DC" (solid, remove dead copper, pour order 21): 4777.87,837.24 4725.75,837.24 4692.91,837.24 4692.91,767.36 4693.9,768.34 4777.87,768.34
PCIE_1V0 on Top Copper "PCIE_1V0_L01_P020_DC" (solid, remove dead copper, pour order 54): 1402.34,1029.09 1441.71,1029.09 1551.69,1029.09 1551.69,975.65 1530.04,954 1530.04,932.34 1494.61,932.34 1433.3,993.65 1402.34,993.65
PCIE_1V0 on Top Copper "PCIE_1V0_L01_P058_DC" (solid, remove dead copper, pour order 22): 1414.19,1078.15 1358.66,1078.15 1346.46,1065.94 1346.46,993.98 1441.38,993.98 1441.71,993.65 1441.71,1078.18
VDD_5V on Top Copper "VDD_5V_L01_P047_DC" (solid, remove dead copper, pour order 26): 5139.76,752.27 5202.39,752.27 5209.28,745.38 5209.28,721.39 5204.72,716.84 5139.76,716.84
VDD_5V on Top Copper "VDD_5V_L01_P046_DC" (solid, remove dead copper, pour order 72): 5139.76,939.96 5202.39,939.96 5209.28,933.07 5209.28,909.08 5204.72,904.53 5139.76,904.53
VPOS on Top Copper "VPOS_L01_P002_DC" (solid, remove dead copper, pour order 34): 3615.16,1339.57 3685.04,1409.45 4382.02,1409.45 4382.02,1500 3641.73,1500 3558.07,1416.34 3558.07,1339.57
ISNS on Top Copper "ISNS_L01_P005_DC" (solid, remove dead copper, pour order 44): 4051.31,1205.71 4009.14,1205.71 3980.31,1234.9 3980.31,1290.35 3925.2,1290.35 3925.2,1203.87 3933.2,1195.87 4051.31,1195.87
SWO on Top Copper "SWO_L01_P004_DC" (solid, remove dead copper, pour order 43): 4177.22,1205.71 4219.55,1205.71 4255.96,1242.13 4255.96,1363.58 4381.95,1363.58 4381.95,1313.58 4338.05,1269.69 4318.96,1269.69 4318.96,1255.91 4258.92,1195.87 4177.22,1195.87
VSS on Top Copper "VSS_L01_P003_DC" (solid, remove dead copper, pour order 41): 4177.29,1215.55 4223.55,1215.55 4256.03,1248.03 4256.03,1300.89 4277.69,1322.54 4277.69,1374.02 3760.95,1374.17 3732.84,1374.02 3745.46,1374.09 3732.84,1361.47 3732.84,1335.46 3749.4,1318.9 4211.66,1318.9 4211.66,1232.2 4204.85,1225.39 4177.29,1225.39
VSEC on Top Copper "VSEC_L01_P007_DC" (solid, remove dead copper, pour order 46): 5124.02,1574.8 5124.02,1482.17 5118.82,1476.97 5118.82,1349.8 5063.7,1349.8 5029.53,1315.63 5029.53,1313.58 4968.5,1313.58 4968.5,1462.01 5029.53,1462.01 5043.31,1475.79 5043.31,1570.87 5047.24,1574.8 5088.58,1574.8
NetC6_2 on Top Copper "NetC6_2_TL_DC" (solid, remove dead copper, pour order 47): 5477.56,1481.1 5530.32,1481.1 5530.32,1621.26 5475.2,1621.26 5475.2,1549.02 5444.88,1518.7 5374.02,1518.7 5334.84,1479.53 5152.36,1479.53 5152.36,1347.24 5343.7,1347.24
NetL4_1 on Top Copper "NETL4_1_L01_P025_DC" (solid, remove dead copper, pour order 70): 5153.54,682.98 5173.74,682.98 5183.98,693.21 5273.62,693.21 5273.62,661.72 5183.46,661.72 5173.23,671.95 5153.54,671.95
NetL3_1 on Top Copper "NETL3_1_L01_P025_DC" (solid, remove dead copper, pour order 67): 5153.54,869.69 5173.74,869.69 5183.98,879.92 5273.62,879.92 5273.62,848.43 5183.46,848.43 5173.23,858.66 5153.54,858.66
1V8 on Top Copper "1V8_L01_P023_DC" (solid, remove dead copper, pour order 62): 5629.87,710.68 5658.32,710.68 5662.32,706.68 5662.32,661.34 5653.7,652.72 5490.8,652.72 5490.8,676.36 5525.25,710.81 5629.74,710.81
1V2 on Top Copper "1V2_L01_P021_DC" (solid, remove dead copper, pour order 58): 5153.54,830.32 5244.49,830.32 5273.62,801.18 5273.62,769.69 5194.88,769.69 5193.59,770.98 5139.76,770.98 5139.76,806.41 5153.54,820.19
REGOUT on Top Copper "REGOUT_TL_DC" (solid, remove dead copper, pour order 48): 1472.95,1066.2 1551.69,1066.2 1551.69,1166.51 1571.76,1186.58 1571.76,1197.8 1532.74,1197.8 1472.95,1138.01 1472.95,1087.77
GND on Signal Layer 4 "GND_L05_P051" (solid, remove dead copper, pour order 51): -574.66,567.36 ccw(c-476.23,567.36) -476.23,468.93 6728.49,468.93 ccw(c6728.49,567.36) 6826.92,567.36 6826.92,1551.61 ccw(c6728.49,1551.61) 6728.49,1650.03 -476.23,1650.03 ccw(c-476.23,1551.61) -574.66,1551.61
VNEG on Signal Layer 4 "VNEG_L05_P063" (solid, remove dead copper, pour order 63): 3751.17,1574.01 4767.53,1574.01 4774.61,1566.93 4774.61,1109.25 4711.61,1046.26 3926.18,1046.26 3867.3,1105.14 3867.3,1276.3 3845.47,1298.13 3737.82,1298.13 3694.23,1341.73 3695.87,1343.36 3695.87,1517.72
1V2 on Signal Layer 4 "1V2_L05_P042" (solid, remove dead copper, pour order 42): 5244.09,830.01 5271.65,802.45 5271.65,720.47 5020.11,468.93 117.68,468.93 -66.93,653.54 -66.93,877.95 -55.12,889.76 78.74,889.76 94.49,874.02 94.49,722.51 155.58,661.42 4988.19,661.42 5157.48,830.71
VBUS on Signal Layer 4 "VBUS_L05_P042_DC" (solid, remove dead copper, pour order 38): 4670,767.72 4677.21,760.51 4736.88,760.51 4744.09,767.72 4744.09,831 4737,838 4677.35,838 4670,830.65
GND on Signal Layer 1 "GND_L02_P037" (solid, remove dead copper, pour order 37): -574.66,567.36 ccw(c-476.23,567.36) -476.23,468.93 6728.49,468.93 ccw(c6728.49,567.36) 6826.92,567.36 6826.92,1551.61 ccw(c6728.49,1551.61) 6728.49,1650.03 -476.23,1650.03 ccw(c-476.23,1551.61) -574.66,1551.61
VNEG on Signal Layer 1 "VNEG_L02_P031" (solid, remove dead copper, pour order 31): 3683.07,1503.94 4208.79,1503.94 4208.79,1092.87 4314.7,986.96 3683.07,986.96
VSS on Signal Layer 1 "VSS_L02_P030" (solid, remove dead copper, pour order 30): 3984.25,1503.94 4775.59,1503.94 4775.59,952.76 4354.33,952.76 4212.6,1094.49 4212.6,1314.96 3984.25,1314.96
GND on Bottom Copper "GND_L06_P069" (solid, remove dead copper, pour order 69): -580.76,567.1 ccw(c-482.34,567.1) -482.34,468.67 6722.39,468.67 ccw(c6722.39,567.1) 6820.81,567.1 6820.81,1551.35 ccw(c6722.39,1551.35) 6722.39,1649.78 -482.34,1649.78 ccw(c-482.34,1551.35) -580.76,1551.35
VBUSIN on Bottom Copper "VBUSIN_L06_P032" (solid, pour order 32): 4530.9,908.32 4530.9,836.65 4399.77,836.65 4393.7,842.72 4393.7,902.51 4399.5,908.32
VBUS on Bottom Copper "VBUS_L06_P033" (solid, pour order 33): 4457.36,988 4450.36,981 4450.36,928.87 4459.23,920 4647.24,920 4668,899.24 4668,760 4688,740 4749,740 4764,755 4764,953 4729,988
VDD_5V on Bottom Copper "VDD_5V_L06_P050_DC" (solid, remove dead copper, pour order 50): -20.38,877.38 77.38,877.38 141.54,813.22 141.09,715.91 211.33,645.67 570.87,645.67 574.8,641.73 1374.02,641.73 1433.07,700.79 1972.44,700.79 2059.06,614.17 2059.06,602.36 2362.2,602.36 2476.38,716.54 3822.83,716.54 3866.14,673.23 4826.77,673.23 4889.76,736.22 4889.76,854.33 4974.76,939.33 5376.57,939.33 5376.57,468.93 71,468.93 71,605 -23,699 -359.76,699 -389.76,729 -389.76,877.95 -20.95,877.95
VNEG on Bottom Copper "VNEG_L06_P068" (solid, remove dead copper, pour order 68): 3694.88,1582.68 4774.61,1582.68 4774.61,1007.87 4126.11,1007.87 3694.88,1007.87
GND on Signal Layer 3 "GND_L04_P060" (solid, remove dead copper, pour order 60): -574.66,567.36 ccw(c-476.23,567.36) -476.23,468.93 6728.49,468.93 ccw(c6728.49,567.36) 6826.92,567.36 6826.92,1551.61 ccw(c6728.49,1551.61) 6728.49,1650.03 -476.23,1650.03 ccw(c-476.23,1551.61) -574.66,1551.61
VNEG on Signal Layer 3 "VNEG_L04_P066" (solid, remove dead copper, pour order 66): 3723.52,1511.37 4773.48,1511.37 4773.48,1102.91 4710.49,1039.91 3975.84,1039.91 3865.21,1150.54 3865.21,1189.91 3723.52,1331.6
3V3 on Signal Layer 3 "3V3_L3_DC" (solid, remove dead copper, pour order 56): 4976.38,535.43 5177.17,535.43 5188.98,547.24 5188.98,665.35 4807.09,1047.24 3968.5,1047.24 3866.14,1149.61 3866.14,1259.84 3755.91,1370.08 1652.99,1365.59 1570.87,1283.46 1263.78,1283.46 972.44,992.13 972.44,700.79 976.38,696.85 980.31,700.79 1007.87,700.79 1007.87,807.32 1365.91,1165.35 1881.18,1165.35 1928.42,1212.6 3681.1,1212.6 3724.41,1169.29 3724.41,1095.33 3882.73,937.01 3968.5,937.01 4074.8,830.71 4681.1,830.71
PCIE_1V0 on Signal Layer 3 "PCIE_1V0_L04_P057_DC" (solid, remove dead copper, pour order 35): 1477.74,1062.99 1446.52,1031.76 1346.46,1031.11 1346.46,1131.57 1368.43,1153.54 1653.02,1153.54 1732.78,1233.3 1763.28,1233.3 1763.28,1168.8 1657.48,1062.99
GND on Signal Layer 2 "GND_L03_P036" (solid, remove dead copper, pour order 36): -574.66,567.36 ccw(c-476.23,567.36) -476.23,468.93 6728.49,468.93 ccw(c6728.49,567.36) 6826.92,567.36 6826.92,1551.61 ccw(c6728.49,1551.61) 6728.49,1650.03 -476.23,1650.03 ccw(c-476.23,1551.61) -574.66,1551.61
VSS on Signal Layer 2 "VSS_L03_P064" (solid, remove dead copper, pour order 64): 3750,1558.07 4766.36,1558.07 4773.43,1550.99 4773.43,1093.32 4710.44,1030.32 3903.64,1030.32 3826.77,1107.19 3826.77,1192.07 3693.06,1325.79 3694.69,1327.43 3694.69,1501.78

## Keep-outs
Top Copper:
  lines w5.91: 2903,1667 2903,1129 2943,1089 2969,1089 3024,1034 3104.27,1034 3269.27,1199 3736.61,1199 3831.69,1103.91 3831.69,1066.61 ; 3349,1670 3349,1483 3394.09,1437.91 3546.66,1437.91 3633.75,1525 3673.79,1525 3696.17,1525 4026.32,1525 4082.03,1580.71 4687.01,1580.71 4763.78,1503.94 4763.78,1099.41 4720.47,1056.1 4720.47,962.6 4620.08,962.6 4587.6,995.08 4187.53,995.08 4159.85,967.4 3930.2,967.4 3831.69,1065.91
Signal Layer 1:
  lines w5.91: 3685.48,1307.89 3685.04,1308.33 ; 4713.42,1503.94 3720.47,1503.94 3685.04,1468.5 3685.04,1308.33 ; 4713.58,1503.94 4775.59,1441.93 4775.59,1114.62 4716.54,1055.56 4716.54,967.37 4711.16,962 4623,962 4590,995 4424.66,995 4188.81,995 3982.01,995 3904.47,995 3884.85,1014.62 3791.34,1108.13 3791.34,1202.03 3685.04,1308.33
Signal Layer 2:
  lines w5.91: 3696.85,1314.96 3799.21,1212.6 3826.77,1185.04 3826.77,1102.36 3901.57,1027.56 3959.48,1027.56 4465.94,1028.56 4714.56,1028.56 4775.59,1089.59 4775.59,1460.32 4733.53,1502.38 4731.97,1503.94 3740.16,1503.94 3696.85,1460.63 3696.85,1314.96
Signal Layer 3:
  lines w5.91: 3696.85,1354.89 3696.85,1360.08 3696.85,1491.14 3719.49,1513.78 4739.47,1513.78 4775.59,1477.66 4775.59,1116.12 4716.54,1057.07 4706.71,1047.24 3968.5,1047.24 3866.14,1149.61 3866.14,1253.6 3821.72,1298.02 3756.73,1298.02 3753.71,1298.02 3696.85,1354.89
Signal Layer 4:
  lines w5.91: 3866.14,1159.32 3866.14,1275.59 3843.6,1298.13 3740.44,1298.13 3696.85,1341.73 3696.85,1519.68 3751.97,1574.8 4768.03,1574.8 4775.59,1567.24 4775.59,1115.75 4716.54,1056.69 4716.54,1047.24 4444.88,1047.24 3947.91,1047.24 3925.2,1047.24 3866.14,1106.3 3866.14,1172.43
Bottom Copper:
  lines w5.91: 3692.91,1298.02 3795.28,1195.66 3795.28,1049.06 3828.21,1016.12 3897.15,1016.12 3944.11,1016.12 4472.44,1016.12 4653.26,1016.12 4712.6,1016.12 4712.6,1057.07 4771.65,1116.12 4771.65,1567.61 4764.09,1575.18 3748.03,1575.18 3692.91,1520.06 3692.91,1298.02

## Other copper
Top Copper:
  pour cut-out: 2905,1675 2905,1159 2976.1,1087.9 3149.22,1087.9 3340,1278.68 3340,1750

## Silkscreen, mask and mechanical layers (free items; w line width, h text height)
Top Overlay:
  lines w6: -345,903.41 -335,903.41 ; -345,937.99 -335,937.99 ; -345,977.36 -335,977.36 ; -345,1013.78 -335,1013.78 ; -195,1050 -180,1050 ; -195,1087.01 -180,1087.01
  text ".project_title  .revision" at 939.18,1326.15 h59.06
  text "BOOT7" at -175,1077.4 h35
  text "BOOT0" at -174,1037 h35
  text "BOOT1" at -455,1004.17 h35
  text "BOOT2" at -455,966.92 h35
  text "BOOT3" at -455,925.39 h35
  text "BOOT4" at -455,890.39 h35
Bottom Overlay:
  drawing of 10 lines, arcs and shapes, not listed
  text ".project_title  .revision" at 6282.84,1140.53 h59.06 r270
Bottom Mask:
  drawing of 3 lines, arcs and shapes, not listed
Board:
  drawing of 6072 lines, arcs and shapes, not listed
out line:
  the board outline again, w3.94